# KiCad board MainPCB.kicad_pcb (continued)
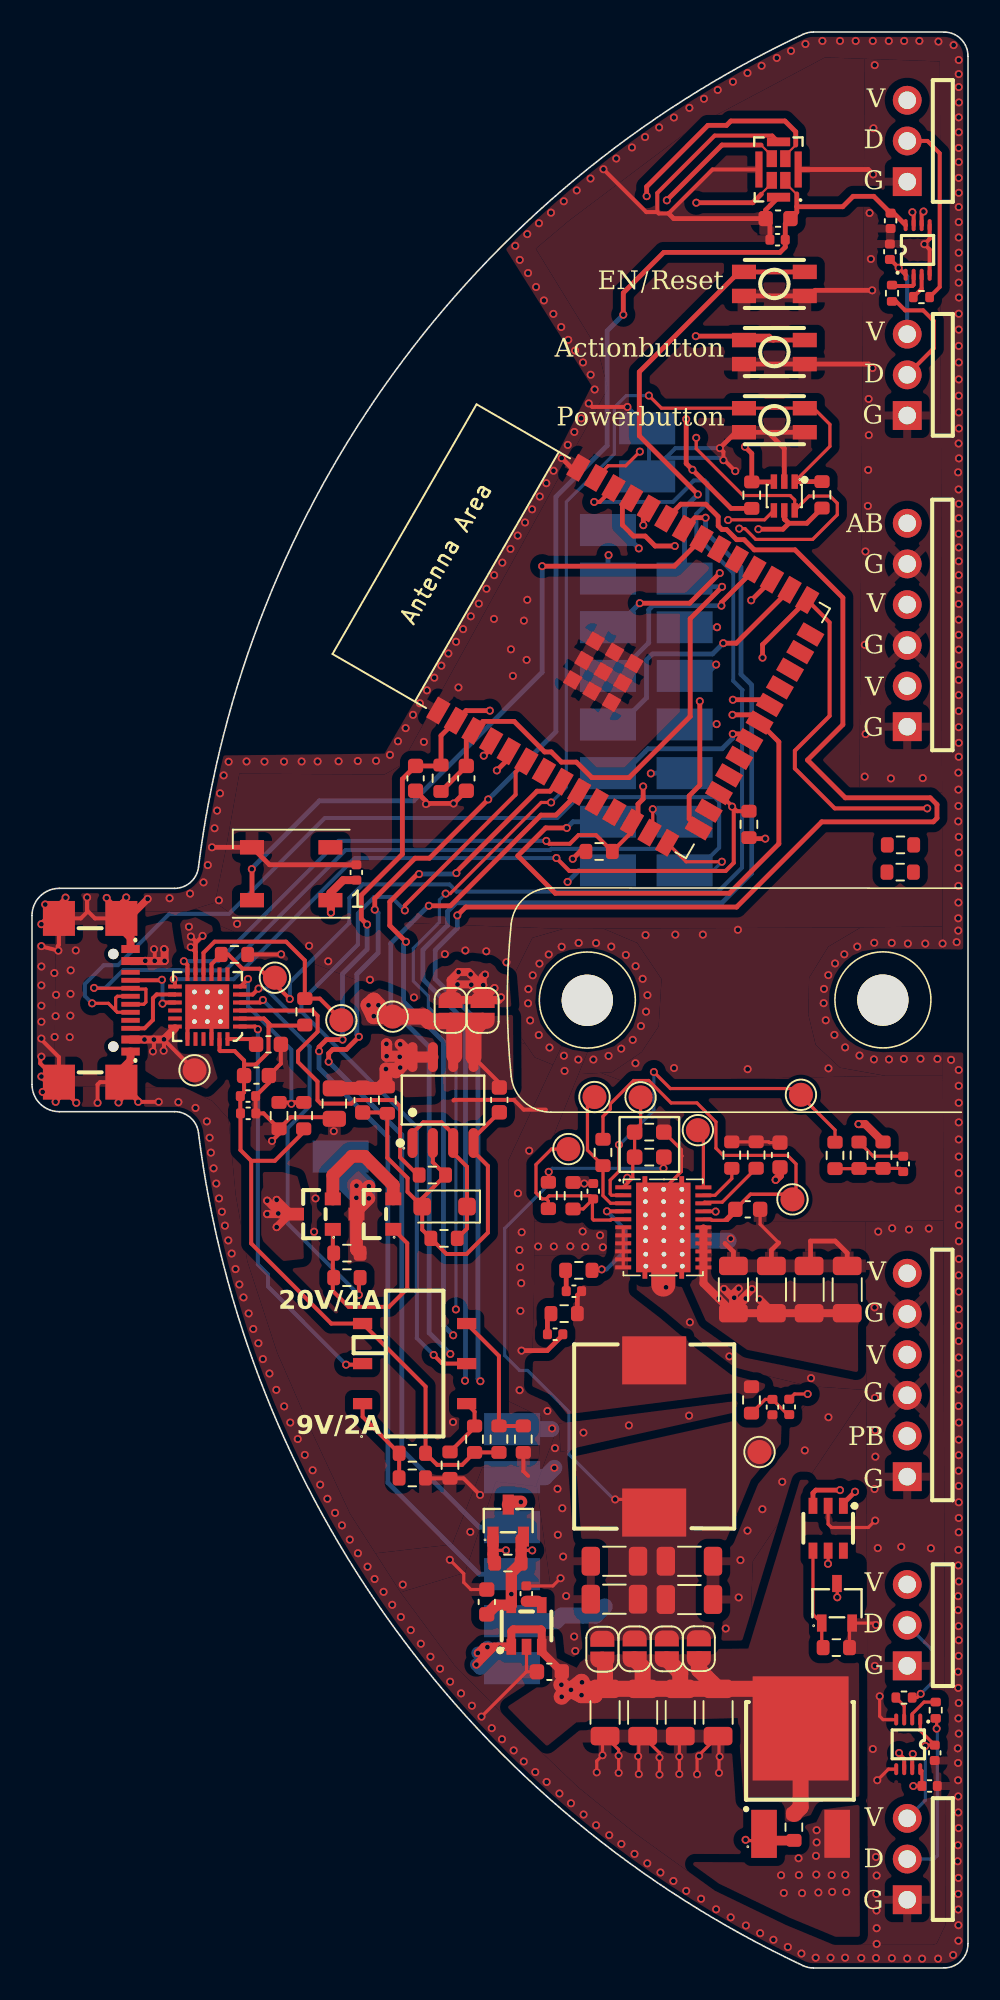
[diagram p0: board, top side]
## Nets (continued)
USB_PD_IC 3.3V: C5.2 C6.2 C7.2 IC1.2 IC1.23 R2.1 R6.1 R10.1 R13.1 R39.1 SW3.3
USB_PD_IC_FET_GATE: C2.2 C4.2 D1.2 R7.1 R9.2 R12.1 U2.2 U2.4
USB_PD_IC_FET_SRC: D1.1 R12.2 U2.1 U2.3
USB_PD_IC_FLIP: IC1.10 R2.2 TP2.1
USB_PD_IC_ISNK_FINE: IC1.6 R6.2 R8.1
USB_PD_IC_SAFE_PWR_EN: IC1.4 R15.1
USB_PD_IC_VBUS_FET_EN: IC1.3 R9.1
USB_PD_IC_VBUS_MIN: IC1.1 SW3.2
USB_PD_IC_VDC_OUT: C4.1 IC1.11 JP8.1 JP9.1 TP10.1 U2.5 U2.6
Net-(C34-Pad2): C34.2 R21.1
Net-(C35-Pad1): C35.1 C36.2 R22.1
Net-(C37-Pad1): C37.1 R35.1
Net-(C37-Pad2): C37.2 R21.2 R22.2 U6.6 U6.7 U6.8 U6.9 U6.10 U6.11 U20.2
Net-(C38-Pad1): C38.1 R44.2 R45.1 R46.2
Net-(R10-Pad2): R10.2 R11.2 SW3.1
Net-(R13-Pad2): R13.2 R16.2 SW3.6
Net-(R39-Pad2): R39.2 R40.1 SW3.4
Net-(U1-Q): R19.2 U1.4 U12.1
Net-(U3-G): R14.1 R15.2 U3.1 U4.1
Net-(U3-S): U3.2 U4.2
Net-(U6-MODE): R18.2 U6.20
Net-(U6-TRIP): R38.2 U6.21
Net-(U6-VBST): R35.2 U6.4
Net-(U11-G): R20.1 R23.1 U9.1 U11.1 U12.3
Net-(U13-BYP): C22.2 U13.4
Net-(U14-A1): R26.1 U14.2
Net-(U14-A2): R27.1 U14.3
Net-(U24-A1): R24.1 U24.2
Net-(U24-A2): R25.1 U24.3

Pads without a net: D2 2; IC1 7 8 16 17 20 21; R37 1 2; R41 1 2; U1 6; U5 3 9; U23 7 10 11 16 18 19 23 24 25 26 31 32

## Via types
v1: diameter 0.5, hole 0.3, Top to Bottom, 691 vias

## Routing (per net, layer and track width the routed paths; a pad name or vN(x,y) marks a point on that pad's centre or on a via; arc(x,y) is an arc through that point)
3.3V AFTER MOSFET: length 178.5
  Top w0.127: 47.79,110.75 47.76,110.75 47.07,111.43 U7.1
  Top w0.2: U14.8 55.61,12.3 C23.2 v1(55.07,11.36)
  Top w0.3: v1(28.51,72.95) 24.84,69.28 23.93,69.28 21.42,66.76 v1(21.42,66.07) ; 47.79,109.95 50.66,109.95 51.31,110.6 52.6,110.6 C29.2 53.84,109.55 U24.8 ; 47.79,109.95 47.79,109.61 C27.2 47.07,108.89 C26.2 47.07,107.43 46.74,107.1 39.48,107.1 36.95,104.57 v1(36.95,103.21) ; 47.79,109.95 47.79,110.75 ; v1(20.43,58.13) 19.64,57.34 18.79,57.34 18.54,57.09 v1(18.54,56.58)
  Top w0.8: U11.3 29.92,29.09 v1(30.55,29.09)
  In2.Cu w0.2: v1(55.07,11.36) 53.83,12.6 53.83,12.62 51.75,12.62 45.34,6.21 43.57,6.21 42.95,6.83 42.95,8.75 48.29,14.09 48.29,20.53 47.6,21.22 44.92,21.22 43.86,22.28 31.97,22.28 30.87,23.38 30.87,23.69 28.52,26.04 28.52,28.3 29.31,29.09 v1(30.55,29.09)
  Bottom w0.3: P34.1 27.94,27.52 23.11,32.36 23.11,52.01 v1(18.54,56.58) ; v1(36.95,103.21) 35.94,102.2 35.94,95.04 32.74,91.84 32.74,77.18 v1(28.51,72.95) ; v1(21.42,66.07) 21.62,65.86 21.62,63.37 20.3,62.04 20.3,58.26 v1(20.43,58.13)
  Bottom w0.6: 29.99,28.54 v1(30.55,29.09)
  Bottom w0.8: P34.1 29.99,28.54
5V AFTER MOSFET: length 19.5
  Top w0.2: U14.1 55.5,14.82 C21.2 55.87,13.91 v1(55.82,13.86)
  Top w0.25: U24.1 v1(54.15,106.14) 53.63,106.66
  Top w0.3: C28.2 53.63,106.66
  Bottom w0.2: v1(55.82,13.86) 55.82,10.47 U16.3
  Bottom w0.25: v1(54.15,106.14) 54.69,105.6 U18.3
  Bottom w1: P1.1 32.75,21.65 33.11,22 35.22,22 35.79,22.57
  vias: v1(46.81,5.79) v1(46.98,4.68) v1(47.9,6.85) v1(47.92,5.8) v1(48.12,4.67) v1(49.03,8.6) v1(49.03,7.84) v1(48.99,7) v1(49.01,5.83) v1(49.14,4.71) v1(49.97,5.8) v1(50,4.75) v1(50.82,5.82) v1(50.88,4.74)
+1V8: length 1.9
  Top w0.25: C3.2 13.67,57.99 IC1.24
+3.3V: length 168.2
  Top w0.2: v1(49.74,25.23) 49.75,25.24 U1.5 ; 30.56,26.08 30.57,26.07 v1(31.26,26.07)
  Top w0.3: 47.29,90.19 46.92,89.82 v1(45.39,89.82) ; 47.29,90.19 48.41,90.19 R28.2 ; 47.29,90.19 47.08,90.4 47.05,90.4 47.01,90.45 U15.5 ; R4.1 44.86,70.5 v1(45.82,70.5) ; v1(33.79,69.24) 34.25,69.7 R3.1 ; v1(28.61,78.49) 27.11,78.49 U23.2 25.56,76.93 R30.1 25.5,75.04 C19.2 23.14,74.22 23.14,69.54 20.58,66.97 20.58,65.5 v1(20.94,65.14) ; R29.1 43.68,91.12 v1(41.27,93.53) 40.88,93.92 v1(40.88,96.69) ; v1(19.4,57.95) 18.4,57.95 17.94,57.49 v1(17.94,57.23)
  Top w0.7: U11.2 30.56,26.78 R23.2 29.95,24.67 U13.5 28.99,22.65 C24.2
  In2.Cu w0.2: v1(31.26,26.07) 31.61,26.42 34.13,26.42 34.38,26.17 45.45,26.17 46.39,25.23 v1(49.74,25.23)
  In2.Cu w0.3: v1(45.82,70.5) 45.7,70.62 41.67,70.62 40.66,69.62 34.17,69.62 ; v1(45.39,89.82) 45.39,90.8 42.66,93.53 v1(41.27,93.53) ; v1(40.88,96.69) 40.66,96.91 37.55,96.91 33.91,93.27 33.91,81.05 31.35,78.49 v1(28.61,78.49) 34.17,72.93 34.17,69.62 ; v1(33.79,69.24) 34.17,69.62
  Bottom w0.3: v1(17.94,57.23) 17.94,56.18 22.24,51.88 22.24,30.29 27.94,24.58 P33.1 ; v1(20.94,65.14) 20.94,63.59 19.4,62.06 v1(19.4,57.95)
  Bottom w0.6: P33.1 29.99,23.39 v1(29.95,23.34)
+5V: length 67.3
  Top w0.5: v1(29.24,19.99) 29.3,20.05 U13.1 ; U13.1 28.88,20.05 v1(27.77,18.94) ; U13.1 29.95,21.01 30.08,21.14 31.81,21.14 31.85,21.1 U13.3 31.85,19.74 C20.2 33.1,17.71 v1(33.08,17.68) ; U13.1 28.48,20.05 v1(28.46,20.03) ; U13.1 28.25,20.05 v1(27.86,19.66) ; U4.3 15.54,47.06 v1(14.7,47.9) ; U4.3 15.43,47.06 v1(15.39,47.1) ; U4.3 16.1,47.06 v1(15.29,46.25) ; U4.3 16.18,47.06 v1(15.29,47.95) ; U4.3 14.71,47.06 v1(14.7,47.07) ; C30.2 19.45,67.91 18.65,67.11 D2.1 18.68,66.63 v1(18.68,65.88)
  Top w1: R20.2 48.02,10.03 U9.2 45.55,17.43 C18.1 ; C18.1 C31.1 ; C18.1 41.67,18.63 JP5.2 ; JP4.2 35.81,19.08 C33.1 ; 33.4,17.36 33.4,17.23 v1(33.1,16.93) ; 33.4,17.36 v1(33.08,17.68) ; 33.4,17.36 v1(33.68,17.36) ; JP7.2 38.16,18.77 C32.1 ; C31.1 40.51,18.43 JP6.2 ; C31.1 C32.1 ; C33.1 34.77,17.43 35.17,17.03 v1(34.34,17.03) v1(33.68,17.36) ; C33.1 C32.1 ; v1(33.68,17.36) 34.34,17.86 v1(34.37,17.83)
  In2.Cu w0.5: v1(18.68,65.88) 18.68,65.29 18.81,65.16
  Bottom w0.2: P2.1 29.99,19.23 ; P2.1 28.8,18.71 ; P2.1 29.77,18.71
  Bottom w0.8: 28.8,18.71 v1(27.86,19.66) ; 29.77,18.71 v1(28.46,20.03) ; v1(27.77,18.94) 27.99,18.71 P2.1 ; 29.99,19.23 v1(29.24,19.99)
GND: length 251.3
  Top w0.2: R32.2 40.58,51.08 40.58,50.73 40.62,50.69 40.58,50.65 40.58,49.72 U6.23 ; v1(52.74,21.41) 52.62,21.53 U12.2 51.08,21.37 51.08,20 ; v1(37.92,12.1) 37.92,14.24 C32.2 39.21,13.43 v1(39.21,13.14) v1(39.21,12.07) ; C15.1 45.5,46.43 46.66,45.27 ; v1(26.11,25.48) 26.98,24.61 26.98,24.07 27.42,23.63 28.42,23.63 ; v1(33.03,24.33) 32.55,23.85 C22.1 ; v1(41.56,12.09) 41.56,13.1 v1(41.69,13.23) 41.69,13.3 C18.2 42.93,14.42 v1(42.93,12.18) ; U1.2 49.75,27.71 49.96,27.5 52.26,27.5 v1(52.69,27.93) ; v1(35.29,12.21) 35.29,12.92 v1(35.65,13.28) 35.65,14.32 C33.2 36.66,13.63 v1(36.66,12.18) ; 57.91,50.7 57.96,50.65 ; R34.1 33.87,48.97 v1(34.51,48.97) C39.2 ; v1(40.45,12.1) 40.45,14.42 C31.2 ; R45.2 52.56,50.68 C38.2 ; R38.1 45.24,51.57 R18.1 46.03,51.58 46.08,51.53 46.74,51.53 ; v1(52.82,11.72) 53.51,12.41 U14.5 ; 30.89,18.49 v1(28.09,15.69) ; 30.89,18.49 31.55,18.49 ; 30.89,18.49 30.9,18.5 U13.2 ; v1(52.97,16.96) 52.97,15.71 53.18,15.5 53.99,15.5 U14.4 ; 39.45,42.66 v1(39.62,42.49)
  Top w0.25: U5.13 6.81,54.07 v1(7.92,54.07) ; U5.13 5.58,54.21 v1(5.41,54.03) ; U5.13 4.25,55.3 4.1,55.15 v1(4.1,54.01) ; U5.13 5.58,55.12 v1(6.64,54.07) ; v1(43.94,93.44) 43.26,94.13 v1(43.2,94.13) 43.2,94.65 v1(42.98,94.88) ; 0.54,55.65 0.89,55.3 U5.14 ; v1(34.79,97.67) 35.01,97.45 v1(37.21,97.45) ; U24.4 56.09,107.28 v1(55.76,107.61) 56.09,107.94 U24.5 ; U5.15 1.68,66.41 v1(2.1,66.82) ; U5.15 0.89,65.52 0.53,65.16 ; U5.15 3.05,65.52 3.45,65.92 v1(3.45,66.83) 3.45,66.01 3.94,65.52 U5.16 ; U5.15 1.68,63.87 1.61,63.79 v1(1.65,63.51) 0.53,63.79 ; U5.15 1.6,65.52 0.73,66.39 ; IC1.22 11.21,58.83 IC1.25 ; 39.07,109.62 39.16,109.53 39.78,109.53 42.52,112.27 U7.8 ; 39.07,109.62 38.38,109.62 v1(35.71,112.29) ; 39.07,109.62 39.07,110.81 42.65,114.39 46.26,114.39 U7.7 ; v1(15.57,63.28) 15.56,63.27 R1.1 ; R8.2 16.16,53.11 18.79,53.11 C1.1 ; R8.2 15.44,52.07 v1(15,51.63) ; R8.2 14.47,53.35 C6.1 13.98,53.36 C7.1 14.8,55.26 C5.1 15.55,56.46 15.55,57.66 ; v1(5.89,66.83) 5.58,66.53 U5.16 ; 0.52,56.89 0.52,56.47 U5.14 ; v1(2.77,54.01) 1.68,55.09 U5.14 ; R11.1 24.61,30.57 R40.2 26.96,30.57 v1(28,29.53) ; IC1.25 9.71,58.65 IC1.19 ; 26.34,54.15 26.38,54.19 30.11,54.19 30.73,53.58 32.11,53.58 ; U5.14 1.28,55.3 v1(0.67,54.69) ; U5.14 1.68,54.28 v1(1.48,54.07) ; U5.14 1.68,56.86 0.53,58.02 ; R16.1 30.7,31.02 31,30.72 ; U5.16 6.01,65.52 ; U5.16 5.58,65.88 v1(4.67,66.8)
  Top w0.3: U15.2 47.01,94.85 45.99,95.87 ; C14.2 43.83,44.71 43.31,45.23 ; C17.2 48.65,43.92 48.65,45.38 50.19,45.38 50.94,44.63 C12.2 ; C26.1 46.11,108.95 C27.1 ; v1(52.52,99.88) 52.27,100.13 SW2.1 SW2.1 ; C19.1 24.62,72.84 v1(24.62,72.66) 24.8,72.66 24.76,72.7 v1(26.34,72.7) C25.1 ; U7.5 45.84,109.74 C27.1 ; C34.1 33.17,39.52 32.19,38.54 v1(30.59,38.54) ; v1(52.56,111.97) 52.25,112.27 U7.6 48.33,112.27 48.34,112.28 ; C27.1 40.1,109.21 39.78,109.53 ; 46.66,45.27 46.2,44.81 C16.2 ; C30.1 14.84,68.87 D2.3 v1(11.25,69.96) ; v1(42.98,94.88) 43.97,95.87 SW1.1 45.99,95.87 ; SW4.1 SW4.1 48.59,104.38 48.94,104.73 v1(52.5,104.73) ; 45.99,95.87 SW1.1 ; v1(33.1,94.26) 33.7,93.65 U23.40
  Top w0.45: 6.01,65.52 v1(7.23,66.74)
  Top w0.5: U5.12 6.16,56.64 5.58,56.07 U5.13 ; U5.16 5.58,64.89 6.16,64.32 U5.1
  Top w1.5: U6.23 39.45,42.66
  In2.Cu w0.5: v1(23.17,23.93) 22.72,23.48 v1(21.97,23.48)
  Bottom w0.2: 32.45,33.64 v1(32.5,33.68)
  Bottom w0.25: P6.1 40.2,94.88 v1(42.98,94.88) ; P6.1 38.55,93.23 38.55,96 P5.1 38.44,96.22 v1(37.21,97.45) ; P6.1 39.59,94.27 43.06,94.27 v1(43.2,94.13) ; v1(43.66,45.53) 43.53,45.4
  Bottom w1: P3.1 32.45,33.64 ; P4.1 32.05,30.64 v1(32.64,31.22) ; 43.53,45.4 U6.23
  vias: v1(0.59,65.16) v1(0.59,63.79) v1(0.59,62.52) v1(0.59,61.34) v1(0.59,60.07) v1(0.59,59.07) v1(0.59,58.02) v1(0.59,56.89) v1(0.59,55.65) v1(0.83,66.39) v1(1.4,62.11) v1(1.42,58.12) v1(1.51,60.75) v1(1.48,59.42) v1(2.42,62.28) v1(2.41,60.81) v1(2.4,59.45) v1(2.36,58.11) v1(2.74,63.52) v1(8.6,66.78) v1(9.15,54.05) v1(9.88,67.07) v1(10.22,53.69) v1(10.72,67.77) v1(10.93,52.85) v1(10.99,68.85) v1(11.1,51.83) v1(11.18,50.9) v1(11.41,71.15) v1(11.35,49.92) v1(11.52,48.97) v1(11.57,72.25) v1(11.68,66.65) v1(11.69,48.04) v1(11.75,73.33) v1(11.87,47.21) v1(11.98,74.45) v1(12.06,46.34) v1(12.29,75.3) v1(12.27,45.42) v1(12.48,44.6) v1(12.72,43.63) v1(12.82,65.18) v1(12.96,42.67) v1(13.22,41.86) v1(13.41,75.32) v1(13.54,40.86) v1(13.83,39.89) v1(14.15,39) v1(14.43,38.01) v1(14.53,75.31) v1(14.84,37.11) v1(15.27,36.09) v1(15.75,75.31) v1(15.76,35.06) v1(16.14,34.05) v1(16.61,33.02) v1(16.85,75.32) v1(17.05,32.03) v1(17.32,63.81) v1(17.54,31.07) v1(17.63,45.96) v1(17.72,48.04) v1(17.85,75.32) v1(18.01,30.17) v1(18.51,62.85) v1(18.46,29.29) v1(18.86,52.24) v1(18.94,28.41) v1(19.16,75.33) v1(19.37,27.63) v1(19.86,26.74) v1(20.36,75.35) v1(20.37,25.89) v1(20.97,25.05) v1(21.12,61.69) v1(21.41,24.28) v1(21.5,75.36) v1(22.37,75.73) v1(22.51,22.67) v1(22.87,76.58) v1(23.05,21.91) v1(23.35,77.4) v1(23.67,21.09) v1(23.81,78.23) v1(23.86,60.59) v1(24.24,78.95) v1(24.3,20.24) v1(24.49,76.54) v1(24.68,79.76) v1(24.9,19.43) v1(25.14,80.55) v1(25.5,18.68) v1(25.58,81.3) v1(25.8,63.29) v1(26.02,82.06) v1(26.13,17.87) v1(26.31,34.08) v1(26.5,82.79) v1(26.65,79.94) v1(26.81,17.14) v1(26.94,83.58) v1(27.08,63.52) v1(27.42,84.38) v1(27.39,27.22) v1(27.49,16.37) v1(27.92,85.17) v1(28.4,86.1) v1(28.39,63.47) v1(28.73,14.97) v1(28.88,86.95) v1(28.87,84.22) v1(29.39,87.73) v1(29.37,14.28) v1(29.65,62.78) v1(29.9,88.59) v1(29.93,82.32) v1(30.05,80.66) v1(30.1,13.58) v1(30.2,107.51) v1(30.35,89.42) v1(30.37,48.36) v1(30.48,106.63) v1(30.46,44.82) v1(30.5,43.74) v1(30.52,41.02) v1(30.47,36.07) v1(30.6,45.93) v1(30.57,42.75) v1(30.73,12.89) v1(30.81,90.24) v1(30.74,84.11) v1(30.91,81.66) v1(30.95,108.24) v1(31,105.81) v1(30.95,85.41) v1(31.02,61.11) v1(31,60.22) v1(31.13,59.15) v1(31.07,51.02) v1(31.25,91.06) v1(31.29,61.97) v1(31.5,104.94) v1(31.45,12.23) v1(31.63,45.04) v1(31.68,108.92) v1(31.73,91.86) v1(31.71,62.7) v1(31.67,58.24) v1(31.99,104.1) v1(32.14,92.69) v1(32.21,34.77) v1(32.16,11.61) v1(32.29,63.27) v1(32.43,109.58) v1(32.34,57.46) v1(32.58,103.26) v1(32.59,93.47) v1(32.61,45.04) v1(32.68,32.45) v1(32.84,29.91) v1(32.86,27.04) v1(32.96,10.89) v1(33.07,102.44) v1(33.1,63.75) v1(33.14,28.7) v1(33.23,110.29) v1(33.19,25.68) v1(33.24,56.95) v1(33.28,56) v1(33.38,23.22) v1(33.51,101.64) v1(33.48,95.08) v1(33.64,45.05) v1(33.68,10.28) v1(33.94,100.97) v1(33.89,95.89) v1(33.88,20.69) v1(34.04,110.97) v1(33.95,19.79) v1(34.14,56.71) v1(34.16,63.99) v1(34.32,96.74) v1(34.43,100.23) v1(34.41,45.98) v1(34.46,33.42) v1(34.47,9.58) v1(34.57,45.02) v1(34.9,111.71) v1(34.91,99.46) v1(35.08,56.71) v1(35.16,98.54) v1(35.25,63.98) v1(35.25,8.91) v1(35.5,45.74) v1(35.67,44.99) v1(36.03,56.94) v1(36.07,8.29) v1(36.2,63.76) v1(36.51,112.96) v1(36.66,13.25) v1(36.82,57.39) v1(36.83,7.74) v1(37.11,63.24) v1(37.3,33.87) v1(37.49,113.65) v1(37.54,57.94) v1(37.72,62.54) v1(37.71,56.48) v1(37.65,7.12) v1(37.88,13.21) v1(38.05,58.8) v1(38.16,61.75) v1(38.31,114.3) v1(38.34,64.48) v1(38.37,59.7) v1(38.46,60.73) v1(38.45,6.53) v1(39.19,114.9) v1(39.27,5.96) v1(40.11,115.52) v1(40.12,56.18) v1(40.08,5.43) v1(40.2,64.51) v1(40.45,13.19) v1(40.88,4.81) v1(41.08,116.12) v1(41.11,40.31) v1(41.06,34.48) v1(41.81,4.32) v1(41.92,64.51) v1(41.99,116.69) v1(42.75,3.66) v1(42.85,117.24) v1(42.97,13.19) v1(43.35,21.19) v1(43.58,38.18) v1(43.66,3.16) v1(43.8,117.75) v1(44.11,64.81) v1(44.16,23.13) v1(44.27,25.46) v1(44.61,2.65) v1(44.71,118.3) v1(44.72,56.11) v1(44.71,27.3) v1(45.5,2.17) v1(45.59,118.75) v1(45.64,28.64) v1(46.33,1.76) v1(46.54,119.24) v1(46.88,30.35) v1(47.23,1.31) v1(47.43,119.68) v1(48.08,0.9) v1(48.33,120.11) v1(48.29,32.31) v1(48.68,36.82) v1(48.97,0.64) v1(49.39,120.3) v1(49.49,61.12) v1(49.47,60.23) v1(49.6,59.16) v1(49.76,61.98) v1(49.77,56.16) v1(49.77,34.38) v1(49.9,0.64) v1(50.14,58.25) v1(50.18,62.71) v1(50.49,120.3) v1(50.76,63.28) v1(50.81,57.47) v1(50.81,0.64) v1(51.47,120.3) v1(51.57,63.76) v1(51.71,56.96) v1(51.82,0.62) v1(52.04,82.6) v1(52.03,74.37) v1(52.08,88.43) v1(52.09,77.03) v1(52.23,91.27) v1(52.28,97.95) v1(52.29,95.69) v1(52.25,93.52) v1(52.34,109.56) v1(52.42,106.69) v1(52.54,120.3) v1(52.54,13.67) v1(52.58,114.85) v1(52.63,64) v1(52.61,56.72) v1(52.66,118.79) v1(52.65,41.24) v1(52.67,35.59) v1(52.69,33.57) v1(52.7,31.92) v1(52.65,29.9) v1(52.67,18.86) v1(52.74,6.93) v1(52.78,5.77) v1(52.76,4.62) v1(52.77,3.59) v1(52.78,2.48) v1(52.78,1.5) v1(52.74,0.62) v1(52.88,45.97) v1(52.85,26.21) v1(53.54,120.3) v1(53.55,56.72) v1(53.67,74.26) v1(53.72,63.99) v1(53.73,0.61) v1(53.75,46.18) v1(54.32,26.29) v1(54.5,120.3) v1(54.48,56.75) v1(54.73,63.95) v1(54.69,0.59) v1(54.8,46.1) v1(55.45,120.3) v1(55.52,56.76) v1(55.62,0.58) v1(55.66,74.28) v1(55.82,63.95) v1(56.04,46.16) v1(56.17,26.2) v1(56.64,120.26) v1(56.58,56.75) v1(56.62,0.58) v1(56.9,63.95) v1(57.43,56.69) v1(57.59,120.04) v1(57.56,0.81) v1(57.78,64.04) v1(57.91,119.11) v1(57.91,118.23) v1(57.91,117.42) v1(57.92,116.46) v1(57.91,115.53) v1(57.91,114.6) v1(57.91,113.62) v1(57.91,112.74) v1(57.91,111.75) v1(57.91,110.82) v1(57.91,109.93) v1(57.91,108.99) v1(57.91,108.03) v1(57.91,107.08) v1(57.91,106.11) v1(57.91,105.21) v1(57.92,104.28) v1(57.91,103.27) v1(57.91,102.28) v1(57.91,101.26) v1(57.91,100.23) v1(57.91,99.17) v1(57.91,98.15) v1(57.91,97.11) v1(57.92,96.11) v1(57.9,95.17) v1(57.92,94.24) v1(57.87,93.37) v1(57.9,92.3) v1(57.92,91.4) v1(57.91,90.5) v1(57.91,89.53) v1(57.91,88.68) v1(57.91,87.82) v1(57.91,86.95) v1(57.91,86.04) v1(57.91,85.15) v1(57.91,84.17) v1(57.91,83.22) v1(57.91,82.3) v1(57.91,81.34) v1(57.91,80.41) v1(57.91,79.46) v1(57.91,78.47) v1(57.91,77.46) v1(57.91,76.48) v1(57.91,75.61) v1(57.89,74.62) v1(57.89,73.56) v1(57.89,72.54) v1(57.88,71.58) v1(57.91,70.61) v1(57.91,69.63) v1(57.89,68.66) v1(57.89,67.55) v1(57.89,66.51) v1(57.88,65.53) v1(57.88,64.76) v1(57.91,56.06) v1(57.91,55.07) v1(57.91,54.01) v1(57.91,52.79) v1(57.91,51.72) v1(57.91,50.65) v1(57.91,49.61) v1(57.91,48.54) v1(57.91,47.4) v1(57.92,46.37) v1(57.92,45.37) v1(57.92,44.26) v1(57.91,43.24) v1(57.91,42.22) v1(57.91,41.13) v1(57.91,40.09) v1(57.91,39.14) v1(57.91,38.11) v1(57.91,37.11) v1(57.91,36.12) v1(57.9,35.08) v1(57.92,34.05) v1(57.91,32.98) v1(57.91,32.01) v1(57.9,31.04) v1(57.91,30.09) v1(57.91,29.07) v1(57.91,28.09) v1(57.91,27.2) v1(57.89,26.1) v1(57.88,25.13) v1(57.92,24.13) v1(57.87,23.21) v1(57.87,22.34) v1(57.9,21.34) v1(57.91,20.46) v1(57.9,19.48) v1(57.87,18.49) v1(57.88,17.48) v1(57.91,16.54) v1(57.89,15.58) v1(57.91,14.63) v1(57.85,13.71) v1(57.87,12.8) v1(57.87,11.72) v1(57.88,10.71) v1(57.88,9.71) v1(57.9,8.73) v1(57.86,7.66) v1(57.84,6.66) v1(57.89,5.62) v1(57.88,4.62) v1(57.88,3.65) v1(57.89,2.67) v1(57.89,1.7)
VBUS: length 45.8
  Top w0.25: v1(7.56,57.22) 7.62,57.28 v1(7.62,57.96) U5.11 v1(7.03,57.96) ; v1(7.08,62.87) 7.06,62.86 U5.2 7.65,62.86 v1(7.67,62.87) 7.67,63.56 v1(7.63,63.6) ; TP3.1 8.25,57.95 v1(8.25,57.97) 8.25,57.28 v1(8.23,57.26)
  Top w0.5: U5.11 8.24,57.96 v1(8.25,57.97) 8.93,58.66 ; U5.2 8.27,62.86 v1(8.29,62.87) 8.29,63.57 v1(8.26,63.6)
  Top w0.7: U2.7 U2.8 ; U2.8 22.99,56.87 v1(22.98,56.88) ; U2.8 23.66,56.87 v1(23.01,56.21) ; U2.8 23.78,56.89 v1(23.01,57.66) ; v1(23.01,56.21) 23.01,56.83 22.92,56.92 v1(22.16,56.92) 22.16,57.68 v1(22.15,57.69) ; v1(23.01,56.21) 22.74,55.94
  Top w0.8: U3.3 v1(20.28,48.83) ; U3.3 20.28,48.03 v1(21.05,48.8) ; U3.3 20.28,48.07 v1(20.27,48.08) ; U3.3 20.28,47.27 v1(21.05,48.04) ; U3.3 20.28,44.85 R14.2 ; 23.2,56.41 22.74,55.94 22.92,56.12 v1(22.12,56.12) 22.12,55.32 21.71,54.91 C1.2
  Bottom w0.8: P35.1 21.05,48.89 ; P35.1 19.28,49.82 v1(20.28,48.83) ; P35.1 19.28,49.06 v1(20.27,48.08) ; 21.05,48.89 v1(21.05,48.04) ; 21.05,48.89 v1(21.05,48.8)
ACTIONBUTTON_EXTERNAL: length 83.2
  Top w0.25: U23.27 49.83,84 49.83,78.16 47.67,75.99 47.67,74.88 50.15,72.39 v1(55.94,72.39)
  Top w0.3: SW2.2 46.32,101.63 ; 46.32,101.63 SW2.2 ; 46.32,101.63 46.07,101.87 v1(41.48,101.87) ; v1(45.65,81.8) 45.65,82.61 U23.27 ; U15.3 46.33,92.77 R29.2 44.97,94.54 v1(44.55,94.97)
  In2.Cu w0.25: v1(55.94,72.39) 54.69,73.64 54.69,74.54 52.95,76.28 52.95,88.45 U21.6
  In2.Cu w0.3: v1(41.48,101.87) 44.55,98.8 v1(44.55,94.97) 49.36,90.16 49.36,85.51 v1(45.65,81.8)
EN: length 60.6
  Top w0.3: SW4.2 SW4.2 44.19,105.88 37.95,99.64 37.95,95.65 v1(41.61,91.99) ; R30.2 27.14,75.03 C25.2 27.14,76.78 U23.3 28.18,77.82 30.13,77.82 32.03,75.91 32.45,75.91 33.08,75.28 34.01,75.28 34.98,74.31 37.31,74.31 41.13,78.13 41.13,84.23 v1(43.12,86.22)
  Bottom w0.3: v1(43.12,86.22) 41.29,86.22 P30.1 40.78,91.16 v1(41.61,91.99)
IO1/POWERBUTTON: length 40
  Top w0.2: v1(41.5,95.52) 41.5,94.85 44.43,91.92 47.38,91.92 47.66,91.64 U15.6 48.55,91.89 49.87,91.89 50.32,91.44 50.32,90.72 48.78,89.18 45.23,89.18 44.55,89.86 v1(44.19,89.86) ; v1(37.98,94.66) 37.1,93.78 36,93.78 U23.39
  In2.Cu w0.2: v1(41.5,95.52) 41.1,95.12 39.02,95.12 38.56,94.66 v1(37.98,94.66)
  In2.Cu w0.3: v1(42.75,81.37) 46.04,84.66 46.04,86.63 44.19,88.48 v1(44.19,89.86)
  Bottom w0.3: v1(42.75,81.37) 42.04,80.66 P32.1
IO2/USB PD FAULT: length 75.2
  Top w0.25: v1(35.13,91.52) 35.47,91.52 U23.38 ; IC1.9 11.21,62.66 R1.2 12.26,63.27 13.15,62.38 14.22,62.38 v1(16.11,60.49)
  Bottom w0.25: v1(16.11,60.49) 16.11,61.52 19.83,65.24 19.83,66.8 20.67,67.65 26.08,67.65 26.53,67.2 42.87,67.2 44.37,68.69 44.37,79.74 44.4,79.77 43.82,80.35 43.82,87.08 41.51,89.39 41.51,90.77 42.2,91.46 42.2,92.7 42.04,92.86 41.36,92.86 41.07,92.57 41.07,92.53 40.05,91.52 v1(35.13,91.52)
IO3/ACTIONBUTTON: length 28.1
  Top w0.2: U15.4 45.77,90.41 43.51,90.41 v1(43.49,90.39)
  Top w0.3: U23.15 41.06,71.74 41.06,73.17 41.73,73.84 v1(41.73,79.08)
  In2.Cu w0.3: v1(41.73,79.08) 41.73,82.62 v1(42.81,83.7) 44.19,83.7 45.54,85.05 45.54,85.94 43.49,87.98 v1(43.49,90.39)
  Bottom w0.3: P31.1 42.8,83.7 v1(42.81,83.7)
IO4/LED3: length 74.7
  Top w0.25: U24.7 55.09,109.53 v1(55.01,109.61)
  Top w0.3: U23.4 28.69,76.14 v1(28.23,75.68)
  In2.Cu w0.3: v1(55.01,109.61) 53.77,108.37 51.01,108.37 49.99,107.35 49.99,70.95 45.89,66.85 33.28,66.85 30.88,69.25 30.88,74.87 30.07,75.68 v1(28.23,75.68)
IO5/LED4: length 75.7
  Top w0.2: U24.6 55.61,108.83
  Top w0.25: v1(55.71,109.65) 55.59,109.53 U24.6
  Top w0.3: U23.5 29.79,75.5 v1(29.05,74.76)
  In2.Cu w0.3: v1(29.05,74.76) 29.05,74.44 29.88,73.61 29.88,68.96 32.78,66.06 46.6,66.06 50.99,70.45 50.99,106.97 51.45,107.43 54.57,107.43 55.71,108.57 v1(55.71,109.65)
IO6/MODE DETECTION: length 55.5
  Top w0.25: v1(25.1,38.27) 25.64,37.73 SW3.5 ; U23.6 30.22,74.65 30.22,73.25 23.3,66.33 v1(23.3,66.02) ; IC1.5 13.78,60.77 v1(14.16,61.14)
  Bottom w0.25: v1(14.16,61.14) 14.61,61.14 16.05,59.7 16.84,59.7 ; 16.84,59.7 16.84,60.36 20.36,63.89 20.36,65.84 21.38,66.86 22.46,66.86 v1(23.3,66.02) ; 16.84,59.7 24.05,52.49 24.05,39.32 v1(25.1,38.27)
IO8/I2C SDA: length 54.2
  Top w0.25: IC1.12 9.71,62.62 v1(9.49,62.85) ; U23.12 37.49,70.93 R3.2 35.24,70.72 34.15,70.72 33.61,70.18 32.31,70.18 v1(32.13,70.36)
  Top w0.3: U23.12 37.87,71.89 37.87,72.66 38.19,72.98 v1(38.19,73.76)
  In2.Cu w0.3: v1(38.19,73.76) 37.38,74.57 37.38,88.08 v1(37.92,88.62)
  Bottom w0.25: v1(32.13,70.36) 19.15,70.36 11.63,62.85 v1(9.49,62.85)
  Bottom w0.3: v1(37.92,88.62) 36.77,89.77 P8.1
IO9/I2C SCL: length 70.3
  Top w0.25: IC1.13 8.93,61.65 v1(8.86,61.73) ; 43.85,72.42 44.05,72.22 R4.2 ; 43.85,72.42 U23.17 ; 43.85,72.42 43.85,68.99 43.34,68.49 33.57,68.49 v1(32.77,69.29)
  In2.Cu w0.3: v1(43.75,72.5) 40.98,72.5 39.61,71.13 38.55,71.13 36.03,73.65 v1(36.03,88.2)
  Bottom w0.25: v1(8.86,61.73) 12.6,61.73 20.17,69.29 v1(32.77,69.29)
  Bottom w0.3: v1(36.03,88.2) 35.99,88.16 P9.1
IO12/I2S WS: length 66.4
  Top w0.127: U7.2 47.07,113.15 47.72,113.8
  Top w0.3: U23.20 44.43,77.04 v1(43.79,77.04) ; 47.72,113.8 47.72,114.63 47.05,115.3 43.67,115.3 43.4,115.03 42.24,115.03 38.41,111.2 v1(38.41,110.61)
  In2.Cu w0.3: v1(43.79,77.04) 41.81,77.04 39.34,79.51 39.34,90.35 36.92,92.77 36.92,94.45 38.56,96.09 41.12,96.09 41.67,96.63 41.67,97.27 39.17,99.77 39.17,109.85 v1(38.41,110.61)
  Bottom w0.3: v1(43.79,77.04) 43.79,76.78 43.12,76.11 38.49,76.11 36.97,74.59 P18.1
IO13/I2S SCK: length 83.7
  Top w0.127: U7.3 46.22,113.13 45.56,113.8
  Top w0.3: v1(33.42,71.17) 32.1,71.17 30.36,69.43 32.7,67.09 43.58,67.09 46.67,70.18 46.67,76.54 U23.21 44.98,78.23 v1(43.77,78.23) ; 45.56,113.8 43.1,113.8 39.67,110.36 v1(39.67,110.35)
  In2.Cu w0.3: v1(43.77,78.23) 42.53,79.46 42.53,80.31 46.54,84.31 46.54,87.36 44.79,89.11 44.79,90.66 42.73,92.71 40.63,92.71 40.63,93.8 42.87,96.04 42.87,97.3 39.67,100.5 v1(39.67,110.35)
  Bottom w0.3: P19.1 33.8,71.56 v1(33.42,71.17)
IO14/I2S SD: length 72.9
  Top w0.127: U7.4 46.22,111.42 45.57,110.77 45.57,110.74
  Top w0.3: U23.22 45.77,79.17 v1(43.79,79.17) ; v1(41.51,110.2) 45.04,110.2 45.57,110.74
  In2.Cu w0.3: v1(33.47,67.8) 45.26,67.8 47.05,69.59 47.05,75.97 43.84,79.17 v1(43.79,79.17) 43.79,80.8 48.76,85.76 48.76,89.9 44.64,94.02 44.34,94.02 43.74,94.63 43.74,97.7 40.72,100.72 40.72,109.41 v1(41.51,110.2)
  Bottom w0.3: P20.1 34.19,68.52 v1(33.47,67.8)
IO15/LED LETCH EN: length 73.4
  Top w0.3: U23.8 32.96,74.05 32.37,73.47 31.56,73.47 26.52,68.42 v1(26.52,68.35) ; v1(23.37,64.06) 22.36,65.07 22.36,66.56 24.09,68.29 v1(24.19,68.29) ; v1(51.43,29.73) 50.7,29 U1.1
  In2.Cu w0.3: v1(26.32,39.5) 27.96,37.86 32.01,37.86 38.28,31.59 50.23,31.59 51.43,30.39 v1(51.43,29.73)
  Bottom w0.3: v1(26.32,39.5) 25.71,40.11 25.71,57.84 23.22,60.33 23.22,63.91 v1(23.37,64.06) ; v1(24.19,68.29) 26.46,68.29 v1(26.52,68.35)
IO16/POWERMOSFETS: length 73.3
  Top w0.3: U23.9 32.74,71.97 31.81,71.97 26.15,66.31 v1(24.8,66.31) ; v1(50.49,29.83) 48.98,29.83 48.8,29.65 U1.3
  In2.Cu w0.3: v1(26.14,38.33) 27.2,37.27 31.57,37.27 37.86,30.98 49.34,30.98 v1(50.49,29.83)
  Bottom w0.3: v1(24.8,66.31) 24.77,66.31 22.42,63.96 22.42,59.91 24.82,57.51 24.82,39.65 v1(26.14,38.33)
IO19/USB D-: length 50.2
  Top w0.2: v1(3.88,61.18) 3.9,61.16 U5.5 6.21,61.11 7.12,61.11 7.12,60.3 6.98,60.16 U5.7 ; U23.13 38.79,71.08 v1(38.79,72.34)
  Bottom w0.2: P21.1 39.57,71.56 v1(38.79,72.34)
  Bottom w0.25: v1(3.88,61.18) 4.59,61.18 5.71,62.3 9.22,62.3 9.25,62.28 12.08,62.28 19.59,69.79 32.37,69.79 32.45,69.87 39.09,69.87 P21.1
IO20/USB D+: length 62.4
  Top w0.2: v1(3.76,60.22) 4.77,60.22 5.23,59.77 ; 5.23,59.77 5.23,60.55 5.33,60.66 U5.6 ; 5.23,59.77 5.33,59.66 U5.8 ; U23.14 40.87,69.06 v1(43.11,69.06)
  Bottom w0.2: P22.1 42.57,68.52 v1(43.11,69.06)
  Bottom w0.25: v1(3.76,60.22) 3.3,60.68 3.3,61.42 4.48,62.6 5.37,62.6 8.58,65.81 12.32,65.81 18.3,71.79 32.82,71.79 34.12,73.09 42.64,73.09 42.94,72.8 42.94,69.93 41.53,68.52 P22.1
IO35/SPI MO: length 16.2
  Top w0.3: U23.28 44,82.7 v1(43.19,82.7)
  Bottom w0.3: P27.1 36.74,77.63 38.4,79.29 38.4,81.66 38.77,82.03 42.52,82.03 v1(43.19,82.7)
IO36/SPI SCK: length 12.9
  Top w0.3: v1(42.98,87.08) 41.1,85.2 v1(37.98,85.2) ; v1(44.94,85.38) 44.95,85.38 U23.29
  In2.Cu w0.3: v1(42.98,87.08) 43.24,87.08 v1(44.94,85.38)
  Bottom w0.3: P25.1 36.47,83.7 v1(37.98,85.2)
IO37/SPI MI: length 13.2
  Top w0.3: v1(43.08,85.05) 43.08,85.24 U23.30
  Bottom w0.3: v1(43.08,85.05) 38.79,85.05 38.54,84.79 38.54,82.73 36.47,80.66 P26.1
IO40/STATUS LED DATA: length 42.5
  Top w0.3: U23.33 40.14,87.51 v1(31.88,87.51) ; v1(13.74,68.6) 13.75,68.59 D2.4
  Bottom w0.3: v1(13.74,68.6) 13.74,68.64 17.96,72.86 23.85,72.86 31.88,80.89 v1(31.88,87.51)
IO41/LED2: length 121
  Top w0.25: 54.18,13.37 54.5,13.05 U14.6
  Top w0.3: 54.18,13.37 v1(54.18,13.42) ; v1(42.09,90.53) 41.43,90.53 U23.34
  In2.Cu w0.3: v1(27.06,36.66) 27.06,34.19 31.31,29.94 31.31,28.99 32.34,27.96 48.31,27.96 51.04,25.23 51.04,16.56 v1(54.18,13.42)
  Bottom w0.3: v1(27.06,36.66) 27.08,36.69 27.08,59.07 24.43,61.73 24.43,63.56 25.96,65.1 25.96,65.96 26.5,66.5 43.11,66.5 44.97,68.35 44.97,80.09 44.3,80.76 44.3,87.45 42.09,89.66 v1(42.09,90.53)
IO42/LED1: length 142.8
  Top w0.2: 55,13.32 v1(55.04,13.36)
  Top w0.25: U14.7 55,13.32
  Top w0.3: v1(26.58,65.71) 27.1,66.23 44.03,66.23 49.35,71.55 56.32,71.55 56.54,71.78 56.54,72.63 56.12,73.05 50.82,73.05 48.46,75.41 50.67,77.62 50.67,85.54 47.68,88.53 45.13,88.53 44.5,89.16 44.03,89.16 43.4,89.8 43.11,89.8 42.88,90.03 42.88,90.6 42.1,91.38 40.54,91.38 U23.35
  In2.Cu w0.3: v1(28.02,36.63) 28.02,34.26 31.66,30.62 36.15,30.62 37.42,29.35 47.91,29.35 51.89,25.37 51.89,16.66 55.04,13.51 v1(55.04,13.36)
  Bottom w0.3: v1(28.02,36.63) 27.87,36.78 27.87,59.07 25.2,61.74 25.2,63.54 26.58,64.92 v1(26.58,65.71)
LED1 DATA OUT: length 10.6
  Top w0.2: R26.2 56.53,15.52 v1(56.53,14.94)
  Bottom w0.2: U16.2 56.35,6.8 56.57,7.01 56.57,14.9 v1(56.53,14.94)
LED2 DATA OUT: length 5.9
  Top w0.2: v1(55.53,17.11) 55.3,16.88 R27.2
  Bottom w0.2: v1(55.53,17.11) 56.31,17.89 56.31,19.78 U17.2
LED3 DATA OUT: length 7.2
  Top w0.25: U18.2 56.35,101.12 56.35,102.82 55.69,103.48 54.56,103.48 54,104.04 R24.2
LED4 DATA OUT: length 11.6
  Top w0.25: U19.2 55.95,114.06 56.72,113.29 56.72,104.94 R25.2
POWERBUTTON_EXTERNAL: length 116.6
  Top w0.2: v1(38.54,98.16) 39.33,97.37 SW1.2 SW1.2 48.84,97.37 49.86,96.36 49.86,94.99 U15.1 ; v1(25.85,67.07) 26.13,67.07 31.82,72.76 v1(32.44,72.76)
  Top w0.3: R28.1 U15.1
  In2.Cu w0.3: U22.2 53.75,33.21 53.31,32.76 49.47,32.76 49.08,33.15 47.26,33.15 46.51,32.4 39.98,32.4 37.43,34.95 36.08,34.95 32.34,38.69 31.55,38.69 30.98,39.26 27.84,39.26 26.49,40.61 v1(26.49,41.11)
  Bottom w0.2: v1(26.49,41.11) 26.49,58.26 24.77,59.98 24.77,60.67 23.83,61.61 23.83,63.65 25.46,65.28 25.46,66.68 v1(25.85,67.07) ; v1(32.44,72.76) 33.39,73.71 33.39,91.52 36.39,94.52 36.39,97.42 37.13,98.16 v1(38.54,98.16)
RXD0: length 19
  Top w0.3: v1(38.2,90.07) 38.2,90.77 U23.36
  In2.Cu w0.3: v1(38.67,74.57) 38.69,74.6 38.69,89.57 v1(38.2,90.07)
  Bottom w0.3: v1(38.67,74.57) 38.69,74.59 P29.1
STEPDOWN_EN: length 23.3
  Top w0.2: U6.2 36.22,48.24 36.13,48.33 36.13,49.18 36.68,49.73 v1(36.68,51.39) ; v1(38.86,55.93) 39.89,54.9 47.59,54.9 50.18,52.31 R46.1 50.25,51.62
  Bottom w0.2: v1(38.86,55.93) 38.86,53.53 36.72,51.39 v1(36.68,51.39)
STEPDOWN_PGOOD: length 8.2
  Top w0.2: U6.3 36.15,47.74 35.68,48.21 R36.1 34.71,51.06 34.71,53.93 TP4.1
STEPDOWN_RF: length 3.7
  Top w0.2: TP6.1 41.95,51.96 U6.22
STEPDOWN_ROVP: length 13.5
  Top w0.2: C39.1 34.88,48.2 32.31,48.2 32.12,48.01 ; C39.1 34.44,47.39 R34.2 ; C39.1 35.02,47.96 35.02,46.76 35.09,46.69 36.15,46.69 36.2,46.74 U6.5 ; R33.2 32.27,47.87 32.12,48.01 ; 32.12,48.01 31.88,48.01 31.49,48.4 31.49,50.16 32.45,51.12 TP7.1
STEPDOWN_VDC_IN: length 39.8
  Top w0.2: v1(42.72,47.22) 42.7,47.23 U6.19
  Top w0.5: C16.1 46.2,41 v1(45.46,41.74) ; C16.1 C14.1 ; C16.1 C12.1 ; C14.1 v1(42.91,41.79) 41.95,42.75 U6.12 41.95,46.15 41.95,46.16 ; C14.1 43.83,42.08 v1(44.16,42.41) ; C14.1 43.83,41.22 v1(44.99,42.38) ; C14.1 43.83,41.5 ; C14.1 43.83,41.02 v1(44.6,41.79) ; R44.1 52.06,52.68 v1(51.65,52.68) ; v1(28.31,62.01) 28.16,61.86 JP9.2 ; JP8.2 26.16,60.97 v1(26.59,61.4) 27.43,61.4 v1(27.45,61.38) 28.16,60.67 JP9.2 ; JP8.2 JP9.2 ; JP8.2 26.16,61.67 v1(26.66,62.17) 27.27,62.17 v1(27.41,62.03) 28.16,61.28 JP9.2 ; JP9.2 28.16,61.32 v1(28.2,61.36) ; JP9.2 v1(28.9,61.17) ; JP9.2 29.15,60.43 v1(29.31,60.59) ; C13.2 46.74,49.47 v1(46.47,49.2) ; 43.83,41.5 43.83,41.8 v1(43.24,42.39) ; 43.83,41.5 43.83,41.79 v1(43.88,41.84)
STEPDOWN_VDC_OUT: length 36.2
  Top w0.2: U20.1 38.06,29.25 v1(36.44,29.25) ; v1(39.46,49.92) 39.48,49.94 R31.1 ; v1(32.29,49.7) 32.29,49.07 R33.1
  Bottom w0.2: v1(36.44,29.25) 36.36,29.25 33.55,32.06 33.55,34.72 30.97,37.3 30.47,37.3 29.54,38.23 29.54,46.17 32.29,48.92 v1(32.29,49.7) 32.51,49.92 v1(39.46,49.92)
STEPDOWN_VFB: length 31.7
  Top w0.2: C36.1 47.64,35.83 v1(48.47,35.83) ; v1(37.2,49.33) 37.24,49.28 37.24,49.03 U6.1 37.54,49.33 37.54,50.5 R31.2 R32.1 38.03,52.55 TP8.1
  In2.Cu w0.2: v1(37.2,49.33) 37.2,37.81 39.18,35.83 v1(48.47,35.83)
STEPDOWN_VREG: length 32.1
  Top w0.2: 44.89,48.3 47.2,48.3 TP5.1 ; 44.89,48.3 43.26,46.67 42.49,46.67 ; 44.89,48.3 47.74,48.3 47.74,50.19 47.2,50.73 43.19,50.73 42.73,51.18 42.73,52.81 41.55,54 39.93,54 38.54,55.4 37.59,55.4 36.14,53.95 36.14,53.62 35.68,53.16 R36.2 ; 44.89,48.3 C15.2 43.95,47.16 43.46,46.67 42.49,46.67 ; 42.49,46.67 42.43,46.73 U6.18
